# Altium PCB Rus.PcbDoc (part 1 of 2) (continued)
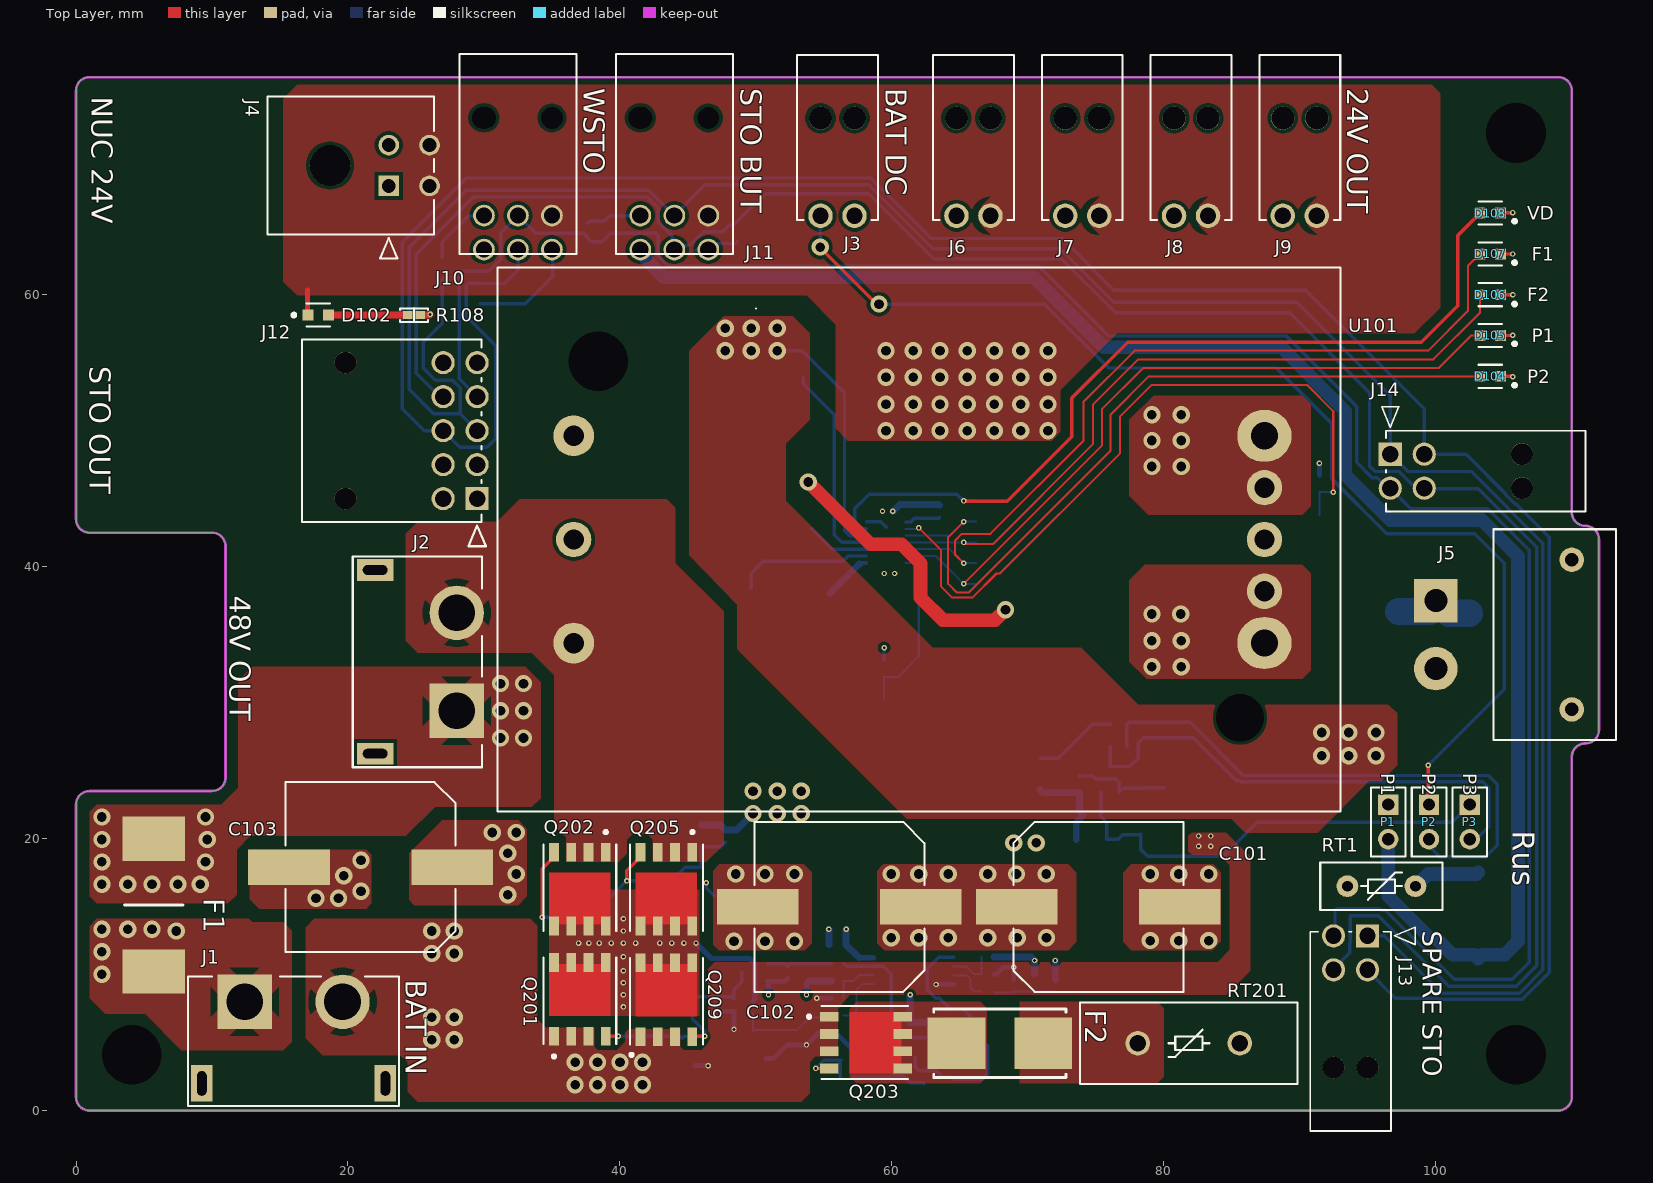
[diagram p0: Top Layer view]
## Part data (continued)
J4: library part "Micro-Fit RA TH 4 Way Header Dual Row", "Header, 2 Row, Right-Angle, Snap-In Lock, 4 Pin, Gold Plate, SMT/Glow Wire Compatible", Manufacturer=Molex, Supplier Part Number 1=6700321, Category="Headers and Wire Housings", Colloquial="Micro-Fit RA TH 4 Way", ComponentLink1Description=https://datasheet.ciiva.com/5153/0430450401-pcb-headers-142810-5153780.pdf?src-supplier=Mouser, ComponentLink1URL=https://datasheet.ciiva.com/5153/0430450401-pcb-headers-142810-5153780.pdf?src-supplier=Mouser, ComponentLink2Description=https://datasheet.ciiva.com/31838/151680430450401-pcb-headers-31838471.pdf?src-supplier=Onlinecomponents.com, ComponentLink2URL=https://datasheet.ciiva.com/31838/151680430450401-pcb-headers-31838471.pdf?src-supplier=Onlinecomponents.com, ComponentLink3Description=https://datasheet.ciiva.com/11749/0900766b80d483ee-11749369.pdf?src-supplier=RSComponents, ComponentLink3URL=https://datasheet.ciiva.com/11749/0900766b80d483ee-11749369.pdf?src-supplier=RSComponents, ComponentLink4Description=https://datasheet.ciiva.com/10090/0430450401-pcb-headers-10090512.pdf?src-supplier=Avnet, ComponentLink4URL=https://datasheet.ciiva.com/10090/0430450401-pcb-headers-10090512.pdf?src-supplier=Avnet, ComponentLink5Description=https://datasheet.ciiva.com/1443/1780486-1443445.pdf?src-supplier=Element14, ComponentLink5URL=https://datasheet.ciiva.com/1443/1780486-1443445.pdf?src-supplier=Element14, Copyright="Copyright (C) 2022 Ultra Librarian. All rights reserved.", Manufacturer Part Number=430450401, Pricing 1="5=1.54600, 100=1.21000, 375=1.08600, 1500=0.86200, 3000=0.80000 (GBP)", RefDes=RefDes, RoHS=Yes, Stock 1=2315, Supplier 1=RSComponents, Type=DEV
J5: "Amass XT30 RA TH male header", Manufacturer=Amass, Manufacturer Part Number=XT30PW-M
J10 J11: library part "Nano-Fit RA TH 6 Way Header Dual Row", "Nano-Fit Right Angle Header; Through Hole; 2.50mm; Dual Row; 6 Circuit; Gold Plated", Color=Black, Manufacturer=Molex, Supplier Part Number 1=2576871, Category="Headers and Wire Housings", Colloquial="Nano-Fit RA TH", Contact Material=Brass, Contact Plating=Gold, Gender=Male, Manufacturer Part Number=105314-1206, Mount="Through Hole", Number of Rows=2, Pricing 1="10=1.38000 (GBP)", REACH SVHC=Unknown, RoHS=Yes, RoHS Compliant=Yes, Stock 1=621, Supplier 1=Farnell, Termination="Through Hole"
J12: library part "Nano-Fit RA TH 10 Way Header", "Nano-Fit Right Angle Header; Through Hole; 2.50mm; Dual Row; 10 Circuit; Gold Plating", Manufacturer=Molex, Colloquial="Nano-Fit RA TH 10 Way", Copyright="Copyright (C) 2022 Ultra Librarian. All rights reserved.", Manufacturer Part Number=1053141310, RefDes=RefDes, Type=DEV
J13 J14: library part "Nano-Fit RA TH 4 Way Header Dual Row", "Nano-Fit Right Angle Header; Through Hole; 2.50mm; Dual Row; 4 Circuit; Gold Plated", Colloquial="Nano-Fit RA TH", Manufacturer Part Number=105314-1204
MP1 MP3 MP4: library part 9774040360R, "WA-SMSI SMT Steel Spacer with internal Thread, OD 6mm, M3 x 4mm", Manufacturer="Wurth Elektronik", Operating Temperature Max=150°C, Operating Temperature Min=-55°C, Category="SMT Spacers", ComponentLink1Description="Website Link", ComponentLink1URL=https://www.we-online.com/redexpert/article/9774040360R?ad, ComponentLink2Description="Datasheet Link", ComponentLink2URL=https://www.we-online.com/redexpert/spec/9774040360R?ad, Height=4mm, Inside Diameter=4.2mm, Manufacturer Part Number=9774040360R, Match Code=WA-SMSI, Material=Steel, Mount="Surface Mount", Outside Diameter=6mm, Packaging="Tape and Reel", Surface=Tin, Thread Size=M3
P1 P2 P3: "Header, 2-Pin", LatestRevisionDate=17-Jul-2002, LatestRevisionNote="Re-released for DXP Platform.", Publisher="Altium Limited"
Q101 Q102: Manufacturer Part Number=SI4090BDY-T1-GE3, Supplier Part Number 1=742-SI4090BDY-T1-GE3CT-ND, ComponentLink1Description="New link", Supplier 1=Digi-Key
Q201 Q202 Q203 Q205 Q209: "100-V, N channel NexFET™ power MOSFET, single SON 5 mm x 6 mm, 4.9 mOhm 8-VSON-CLIP -55 to 150", Continuous Drain Current (ID)=100A, Drain to Source Breakdown Voltage=100V, Drain to Source Resistance=4.9mR, Gate to Source Voltage (Vgs)=20V, Input Capacitance=4.81nF, Manufacturer="Texas Instruments", Max Operating Temperature=150°C, Max Power Dissipation=3.1W, Min Operating Temperature=-55°C, Package Quantity=1, Supplier Part Number 1=595-CSD19532Q5B, Threshold Voltage=2.6V, Category=MOSFETs, ComponentLink1Description=http://www.farnell.com/datasheets/1499179.pdf?src-supplier=Farnell, ComponentLink1URL=http://www.farnell.com/datasheets/1499179.pdf?src-supplier=Farnell, ComponentLink2Description=https://assets.nexperia.com/documents/data-sheet/BSS138PS.pdf?src-supplier=Digi-Key, ComponentLink2URL=https://assets.nexperia.com/documents/data-sheet/BSS138PS.pdf?src-supplier=Digi-Key, ComponentLink3Description=https://assets.nexperia.com/documents/data-sheet/2N7002.pdf?src-supplier=Digi-Key, ComponentLink3URL=https://assets.nexperia.com/documents/data-sheet/2N7002.pdf?src-supplier=Digi-Key, ComponentLink4Description=http://www.farnell.com/datasheets/1499179.pdf?src-supplier=Newark, ComponentLink4URL=http://www.farnell.com/datasheets/1499179.pdf?src-supplier=Newark, ComponentLink5Description=https://datasheet.ciiva.com/29752/csd19532q5b-29752088.pdf?src-supplier=Digi-Key, ComponentLink5URL=https://datasheet.ciiva.com/29752/csd19532q5b-29752088.pdf?src-supplier=Digi-Key, ComponentLink6Description=https://datasheet.ciiva.com/46430/1857696-46430346.pdf?src-supplier=Element14, ComponentLink6URL=https://datasheet.ciiva.com/46430/1857696-46430346.pdf?src-supplier=Element14, ComponentLink7Description=https://datasheet.ciiva.com/46430/1857696-46430347.pdf?src-supplier=Element14, ComponentLink7URL=https://datasheet.ciiva.com/46430/1857696-46430347.pdf?src-supplier=Element14, ComponentLink8Description=https://datasheet.ciiva.com/29752/csd19532q5b-29752093.pdf?src-supplier=Digi-Key, ComponentLink8URL=https://datasheet.ciiva.com/29752/csd19532q5b-29752093.pdf?src-supplier=Digi-Key, ComponentLink9Description=https://datasheet.ciiva.com/29752/csd19532q5b-29752106.pdf?src-supplier=Digi-Key, ComponentLink9URL=https://datasheet.ciiva.com/29752/csd19532q5b-29752106.pdf?src-supplier=Digi-Key, ComponentLink10Description=https://datasheet.ciiva.com/30021/csd19532q5b-30021946.pdf?src-supplier=Avnet, ComponentLink10URL=https://datasheet.ciiva.com/30021/csd19532q5b-30021946.pdf?src-supplier=Avnet, Contact Plating=Tin, Drain to Source Voltage (Vdss)=100V, Element Configuration=Single, Fall Time=6ns, Lead Free="Contains Lead", Manufacturer Part Number=CSD19532Q5B, Mount="Surface Mount", Number of Channels=1, Number of Elements=1, Number of Pins=8, Packaging="Tape and Reel", Power Dissipation=3.1W, Pricing 1="1=2.97000, 10=2.67000, 25=2.52000, 50=2.52000, 100=2.17000, 250=2.10000, 500=1.73000, 1000=1.62000, 2500=1.56000, 10000=1.56000 (USD)", Rds On Max=4.9mR, REACH SVHC="No SVHC", Rise Time=6ns, RoHS=Yes, RoHS Compliant=Yes, Supplier 1=Mouser, Turn-Off Delay Time=22ns, Turn-On Delay Time=7ns
Q204: "TRANS NPN 100V 3A SOT223", Case/Package=SOT-223, Collector Base Voltage (VCBO)=180V, Collector Emitter Breakdown Voltage=100V, Collector Emitter Saturation Voltage=500mV, Emitter Base Voltage (VEBO)=7V, Frequency=175MHz, Manufacturer="Diodes Inc", Max Collector Current=3A, Max Operating Temperature=150°C, Max Power Dissipation=5.3W, Min Operating Temperature=-55°C, Package Quantity=1000, Supplier Part Number 1=ZXTN25100DGTA, Category=BJTs, Collector Emitter Voltage (VCEO)=100V, Collector-emitter Voltage-Max=500mV, ComponentLink1Description=https://datasheet.ciiva.com/6360/zxtn25100dg-6360033.pdf?src-supplier=Digi-Key, ComponentLink1URL=https://datasheet.ciiva.com/6360/zxtn25100dg-6360033.pdf?src-supplier=Digi-Key, Element Configuration=Single, Gain Bandwidth Product=175MHz, Height=1.65mm, Lead Free="Lead Free", Length=6.7mm, Manufacturer Part Number=ZXTN25100DG, Max Breakdown Voltage=100V, Max Frequency=175MHz, Mount="Surface Mount", Number of Elements=1, Number of Pins=4, Packaging="Tape and Reel", Polarity=NPN, Power Dissipation=5.3W, Pricing 1="1000=0.25480, 2000=0.22890, 5000=0.21400, 10000=0.21190 (USD)", Radiation Hardening=No, REACH SVHC="No SVHC", RoHS=Yes, RoHS Compliant=Yes, Series=-, Stock 1=49000, Supplier 1="Arrow Electronics", Transition Frequency=175MHz, Weight=0.000282oz, Width=3.7mm
Q206 Q207 Q208 Q210: library part BSS84W, "P-Channel 50 V 10 Ohm Enhancement Mode Transistor SOT-323", Case/Package=SOT-323, Continuous Drain Current (ID)=130mA, Current Rating=-130mA, Drain to Source Resistance=6R, Drain to Source Voltage (Vdss)=-50V, Drain-source On Resistance-Max=10R, Gate to Source Voltage (Vgs)=20V, Input Capacitance=45pF, Manufacturer="Diodes Inc", Max Operating Temperature=150°C, Max Power Dissipation=200mW, Min Operating Temperature=-55°C, Package Quantity=3000, Threshold Voltage=-1.6V, Category=MOSFETs, Colloquial=BSS84, ComponentLink1Description=https://datasheet.ciiva.com/19479/1539489-19479838.pdf?src-supplier=Jameco, ComponentLink1URL=https://datasheet.ciiva.com/19479/1539489-19479838.pdf?src-supplier=Jameco, ComponentLink2Description=https://datasheet.ciiva.com/4442/ds30205-79185-4442986.pdf?src-supplier=Mouser, ComponentLink2URL=https://datasheet.ciiva.com/4442/ds30205-79185-4442986.pdf?src-supplier=Mouser, ComponentLink3Description=https://datasheet.ciiva.com/15137/getdatasheetpartid-91759-15137729.pdf?src-supplier=Verical, ComponentLink3URL=https://datasheet.ciiva.com/15137/getdatasheetpartid-91759-15137729.pdf?src-supplier=Verical, ComponentLink4Description=https://datasheet.ciiva.com/8115/ds30205-8115434.pdf?src-supplier=Avnet, ComponentLink4URL=https://datasheet.ciiva.com/8115/ds30205-8115434.pdf?src-supplier=Avnet, ComponentLink5Description=https://datasheet.ciiva.com/17082/bss84w-7-f-17082780.pdf?src-supplier=Allied+Electronics, ComponentLink5URL=https://datasheet.ciiva.com/17082/bss84w-7-f-17082780.pdf?src-supplier=Allied+Electronics, ComponentLink6Description=https://datasheet.ciiva.com/1190/ds30205-1190308.pdf?src-supplier=Element14, ComponentLink6URL=https://datasheet.ciiva.com/1190/ds30205-1190308.pdf?src-supplier=Element14, ComponentLink7Description=https://datasheet.ciiva.com/8115/ds30205-8115325.pdf?src-supplier=Avnet, ComponentLink7URL=https://datasheet.ciiva.com/8115/ds30205-8115325.pdf?src-supplier=Avnet, ComponentLink8Description=https://datasheet.ciiva.com/934/ds30205-934606.pdf?src-supplier=Digi-Key, ComponentLink8URL=https://datasheet.ciiva.com/934/ds30205-934606.pdf?src-supplier=Digi-Key, ComponentLink9Description=https://datasheet.ciiva.com/934/ds30205-934607.pdf?src-supplier=Digi-Key, ComponentLink9URL=https://datasheet.ciiva.com/934/ds30205-934607.pdf?src-supplier=Digi-Key, ComponentLink10Description=https://datasheet.ciiva.com/934/ds30205-934605.pdf?src-supplier=Digi-Key, ComponentLink10URL=https://datasheet.ciiva.com/934/ds30205-934605.pdf?src-supplier=Digi-Key, Contact Plating=Tin,Matte, Element Configuration=Single, Height=1mm, Lead Free="Lead Free", Length=2.2mm, Manufacturer Part Number=BSS84W-7-F, Mount="Surface Mount", Nominal Vgs=-1.6V, Number of Channels=1, Number of Elements=1, Number of Pins=3, On-State Resistance=10R, Packaging="Tape and Reel", Polarity=P-CHANNEL, Power Dissipation=200mW, Pricing 1="3000=0.07350, 6000=0.06460 (USD)", Radiation Hardening=No, Rds On Max=10R, REACH SVHC="No SVHC", RoHS=Yes, RoHS Compliant=Yes, Series=-, Stock 1=6000, Supplier 1="Arrow Electronics", Supplier Part Number 1=BSS84W-7-F, Turn-Off Delay Time=18ns, Turn-On Delay Time=10ns, Voltage Rating (DC)=-50V, Weight=0.000212oz, Width=1.35mm
R1 R2 R3 R4: library part CMP-2100-03667-1, "Chip Resistor, 0 Ohm, +/- 5%, 0.1 W, -55 to 155 degC, 0603 (1608 Metric), RoHS, Tape and Reel", Case Code (Imperial)=0603, Case Code (Metric)=1608, Manufacturer=Yageo, Max Operating Temperature=155degC, Min Operating Temperature=-55degC, Package Description="2-Pin Surface Mount Device, Body 1.6 x 0.8 mm", Package Quantity=5000, Power Rating=100mW, Resistance=0R, Temperature Coefficient=200ppm/degreesC, Tolerance=5%, Voltage Rating=50V, Case/Package=0603, Composition=ThickFilm, Contact Plating=Tin, Datasheet URL=http://www.yageo.com/NewPortal/yageodocoutput?fileName=/pdf/R-Chip/PYu-RC_Group_51_RoHS_L_5.pdf, Datasheet Version="Rev. 5, 10/2016", Depth=0.8mm, Height=0.45mm, Lead Free=LeadFree, Length=1.6mm, Manufacturer URL=http://www.yageo.com/, Military Standard=Not, Number of Pins=2, Package Reference=0603, Packaging=TapeandReel, Radiation Hardening=No, REACH SVHC=NoSVHC, RoHSCompliant=true, Termination=SMD/SMT, Voltage Rating (DC)=50V, Width=0.8mm
R5: library part R, "Generic Resistor", Power Rating=1000mW, Temperature Coefficient=100ppm/°C, Tolerance=1%, Voltage Rating=200V, Resistance=4R7, Size Code=2512
R102 R104 R105 R106 R107 R213 R218 R225 R228: library part R, "Generic Resistor", Power Rating=100mW, Temperature Coefficient=100ppm/°C, Tolerance=1%, Voltage Rating=75V, Size Code=0603
  R102 R104 R105 R106 R107: Resistance=33k
  R213: Resistance=22k
  R218 R228: Resistance=47k
  R225: Resistance=1k
R108 R113 R201 R202 R205 R206 R207 R208 R209 R210 R211 R212 R214 R216 R217 R219 R220 R221 R222 R223 R224 R226 R227: library part R, "Generic Resistor", Power Rating=62.5mW, Temperature Coefficient=100ppm/°C, Tolerance=1%, Voltage Rating=50V, Size Code=0402
  R108 R201 R212 R214 R223 R224 R227: Resistance=10k
  R113 R206 R207 R208 R216 R217 R226: Resistance=100k
  R202 R209 R210 R220: Resistance=100R
  R205: Resistance=10M
  R211: Resistance=220k
  R219: Resistance=1k
  R221 R222: Resistance=10R
R109 R110: library part CMP-2001-00804-1, Manufacturer=Panasonic, Resistance=340k, Part Number=ERA6AEB3403V
R111 R112: library part CMP-2000-00228-1, Manufacturer=Panasonic, Resistance=12.7k, Part Number=ERJ-3EKF1272V
R204: library part R, "RES 10K OHM 1% 1/5W 0603", Manufacturer=YAGEO, Manufacturer Part Number=RC0603FR-7W10KL, Power Rating=0.2W, Temperature Coefficient=200ppm/°C, Tolerance=1%, Voltage Rating=75V, Resistance=10k, Size Code=0603
RT1: "Thermistor PTC 1.8 Ohm 25% 2-Pin Radial Cardboard Strip", Case/Package=Radial, Manufacturer=Epcos, Max Operating Temperature=125°C, Max Supply Voltage=30V, Min Operating Temperature=-40°C, Supplier Part Number 1=9753087, Tolerance=25%, Category="PTC Resettable Fuses", ComponentLink1Description=https://datasheet.ciiva.com/15097/getdatasheetpartid-382302-15097925.pdf?src-supplier=Verical, ComponentLink1URL=https://datasheet.ciiva.com/15097/getdatasheetpartid-382302-15097925.pdf?src-supplier=Verical, ComponentLink2Description=https://datasheet.ciiva.com/48779/1899685-48779500.pdf?src-supplier=Element14, ComponentLink2URL=https://datasheet.ciiva.com/48779/1899685-48779500.pdf?src-supplier=Element14, Contact Plating=Tin, Depth=3.5mm, Height=12.5mm, Lead Free="Lead Free", Lead Length=25mm, Manufacturer Part Number=B59975C0120A070, Mount="Through Hole", Number of Pins=2, Operating Supply Voltage=30V, Packaging=Strip, Pricing 1="1=1.56000, 10=1.23000, 50=0.92700, 100=0.83300, 200=0.72800, 500=0.62200, 2500=0.61000 (GBP)", Radiation Hardening=No, REACH SVHC="No SVHC", RoHS=Yes, RoHS Compliant=Yes, Stock 1=1677, Supplier 1=Farnell, Thickness=3.5mm, Width=9mm
RT201: "NTC Thermistor, 25ohm, Through Hole Mount", Manufacturer=Epcos, Max Operating Temperature=170°C, Min Operating Temperature=-55°C, Package Shape=Disk, Power=3.9W, Rated AC Voltage (URac)=265V, Rated Temperature=25°C, Resistor Type="NTC THERMISTOR", Supplier Part Number 1=1857638, Tolerance=20%, Category=Thermistors, ComponentLink1Description=https://datasheet.ciiva.com:443/pdfs/VipMasterIC/IC/TDKC/TDKC-S-A0001106310/TDKC-S-A0001106310-1.pdf?src-supplier=IHS+Markit, ComponentLink1URL=https://datasheet.ciiva.com:443/pdfs/VipMasterIC/IC/TDKC/TDKC-S-A0001106310/TDKC-S-A0001106310-1.pdf?src-supplier=IHS+Markit, ComponentLink2Description=http://www.epcos.com/inf/50/db/icl_13/B57238_S238.pdf?src-supplier=Avnet, ComponentLink2URL=http://www.epcos.com/inf/50/db/icl_13/B57238_S238.pdf?src-supplier=Avnet, JESD-609 Code=e3, Manufacturer Part Number=B57238S0250M000, Mounting Technology="Through Hole", Packaging=Bulk, Pins=2, Pricing 1="500=0.75700 (GBP)", Reach SVHC Compliant=No, RoHS=Yes, RoHS Compliant=Yes, Stock 1=2155, Supplier 1=Rs, Terminal Finish=Tin, Terminal Placement=Radial, Termination=Wire, Thermistor Application="SOFT START"
RV101: "J Series 31.1 V 3000 W Surface Mount Uni-Directional TVS Diode - DO-214AB", Breakdown Voltage=31.1V, Case/Package=DO-214AB, Clamping Voltage=45.4V, Leakage Current=2uA, Manufacturer=Littelfuse, Max Breakdown Voltage=34.4V, Max Operating Temperature=150°C, Max Surge Current=66.1A, Min Operating Temperature=-55°C, Operating Supply Voltage=28V, Package Quantity=3000, Peak Pulse Power=3kW, Power Line Protection=No, Resistor Type=Zener, Supplier Part Number 1=1714200P, Test Current=1mA, Category="TVS Diodes", Clamping Voltage-Max=45.4V, ComponentLink1Description=https://datasheet.ciiva.com/332/littelfuse-tvs-diode-smdj-datasheet-pdf-332693.pdf?src-supplier=Digi-Key, ComponentLink1URL=https://datasheet.ciiva.com/332/littelfuse-tvs-diode-smdj-datasheet-pdf-332693.pdf?src-supplier=Digi-Key, ComponentLink2Description=https://datasheet.ciiva.com/332/littelfuse-tvs-diode-smdj-datasheet-pdf-332694.pdf?src-supplier=Digi-Key, ComponentLink2URL=https://datasheet.ciiva.com/332/littelfuse-tvs-diode-smdj-datasheet-pdf-332694.pdf?src-supplier=Digi-Key, ComponentLink3Description=https://datasheet.ciiva.com/332/littelfuse-tvs-diode-smdj-datasheet-pdf-332695.pdf?src-supplier=Digi-Key, ComponentLink3URL=https://datasheet.ciiva.com/332/littelfuse-tvs-diode-smdj-datasheet-pdf-332695.pdf?src-supplier=Digi-Key, ComponentLink4Description=https://datasheet.ciiva.com/4508/littelfuse-tvs-diode-smdj-datasheet-pdf-4508137.pdf?src-supplier=Mouser, ComponentLink4URL=https://datasheet.ciiva.com/4508/littelfuse-tvs-diode-smdj-datasheet-pdf-4508137.pdf?src-supplier=Mouser, Diode Type=ZENER, Direction=Unidirectional, Lead Free="Lead Free", Manufacturer Part Number=SMDJ28A, Min Breakdown Voltage=31.1V, Mount="Surface Mount", Number of Channels=1, Number of Elements=1, Number of Pins=2, Number of Unidirectional Channels=1, Packaging="Tape and Reel", Peak Pulse Current=66.1A, Polarity=Unidirectional, Power Dissipation=3kW, Pricing 1="50=0.71100, 100=0.63100, 500=0.59100, 1000=0.53600 (GBP)", REACH SVHC="No SVHC", Reverse Breakdown Voltage=31.1V, Reverse Standoff Voltage=28V, RoHS=Yes, RoHS Compliant=Yes, Series=SMDJ, Stock 1=1220, Supplier 1=RSComponents, Termination=SMD/SMT
U101: "24 Vdc, 8.4 A, 201.6 W, 18~75 Vdc Input Range", Manufacturer="CUI Inc", Supplier Part Number 1=3873074, Category="Board Mount Modules", ComponentLink1Description=Datasheet, ComponentLink1URL=https://www.cui.com/product/resource/prq200w.pdf, Manufacturer Part Number=PRQ200W-Q48-S24-D, Pricing 1="1=115.34000 (GBP)", RoHS=No, Stock 1=10, Supplier 1=Farnell
U102: "Positive High Voltage Ideal Diode-OR with Input Supply and Fuse Monitors IC OR CTRLR SRC SELECT 14DFN", Case/Package="DFN EP", Manufacturer="Analog Devices", Max Operating Temperature=85°C, Min Operating Temperature=-40°C, Package Quantity=91, Supplier Part Number 1=584-LTC4355IDE#PBF, Category="Power Management ICs", Colloquial=LTC4355, ComponentLink1Description=https://datasheet.ciiva.com/15104/getdatasheetpartid-365860-15104228.pdf?src-supplier=Verical, ComponentLink1URL=https://datasheet.ciiva.com/15104/getdatasheetpartid-365860-15104228.pdf?src-supplier=Verical, ComponentLink2Description=https://datasheet.ciiva.com/1960/24936-1960774.pdf?src-supplier=Digi-Key, ComponentLink2URL=https://datasheet.ciiva.com/1960/24936-1960774.pdf?src-supplier=Digi-Key, Lead Free="Lead Free", Length=4mm, Manufacturer Part Number=LTC4355IDE#PBF, Number of Outputs=2, Number of Pins=14, Pricing 1="1=9.21000, 10=8.31000, 50=7.92000, 100=6.88000, 1000=5.99000, 10000=5.47000 (USD)", Radiation Hardening=No, RoHS=Yes, RoHS Compliant=Yes, Series=-, Stock 1=5334, Supplier 1=Mouser
U201: library part LM393, "Comparator Dual 18V/36V 8-Pin TSSOP T/R", Case/Package=TSSOP, Input Bias Current=250nA, Input Offset Voltage (Vos)=5mV, Manufacturer=ST, Max Dual Supply Voltage=18V, Max Operating Temperature=70°C, Max Power Dissipation=625mW, Max Supply Current=1mA, Max Supply Voltage=36V, Min Dual Supply Voltage=1V, Min Operating Temperature=0°C, Min Supply Voltage=2V, Natural Thermal Resistance=120°C/W, Output Current=18mA, Output Current per Channel=100pA, Package Quantity=1, Quiescent Current=2.5mA, Supplier Part Number 1=69AH0634, Voltage Gain=106.02dB, Category=Comparators, Colloquial=LM393, ComponentLink1Description=https://datasheet.ciiva.com/15131/getdatasheetpartid-186418-15131021.pdf?src-supplier=Verical, ComponentLink1URL=https://datasheet.ciiva.com/15131/getdatasheetpartid-186418-15131021.pdf?src-supplier=Verical, ComponentLink2Description=https://datasheet.ciiva.com/1827/cd00000465-1827201.pdf?src-supplier=Digi-Key, ComponentLink2URL=https://datasheet.ciiva.com/1827/cd00000465-1827201.pdf?src-supplier=Digi-Key, ComponentLink3Description=https://datasheet.ciiva.com/1827/cd00000465-1827202.pdf?src-supplier=Digi-Key, ComponentLink3URL=https://datasheet.ciiva.com/1827/cd00000465-1827202.pdf?src-supplier=Digi-Key, ComponentLink4Description=https://datasheet.ciiva.com/1827/cd00000465-1827203.pdf?src-supplier=Digi-Key, ComponentLink4URL=https://datasheet.ciiva.com/1827/cd00000465-1827203.pdf?src-supplier=Digi-Key, ComponentLink5Description=https://datasheet.ciiva.com/2971/cd00000465-2971959.pdf?src-supplier=Avnet, ComponentLink5URL=https://datasheet.ciiva.com/2971/cd00000465-2971959.pdf?src-supplier=Avnet, ComponentLink6Description=https://datasheet.ciiva.com/16381/cd00000465-16381559.pdf?src-supplier=Future+Electronics, ComponentLink6URL=https://datasheet.ciiva.com/16381/cd00000465-16381559.pdf?src-supplier=Future+Electronics, Lead Free="Lead Free", Manufacturer Part Number=LM393PT, Max Input Current=250nA, Mount="Surface Mount", Nominal Supply Current=1mA, Number of Channels=2, Number of Elements=2, Number of Pins=8, OUTPUT TYPE=TTL, Packaging="Tape and Reel", Power Dissipation=625mW, Pricing 1="1=0.55700, 5=0.55700, 10=0.47600, 25=0.44300, 50=0.37500, 100=0.30600, 250=0.25300, 500=0.20100, 1000=0.16500 (USD)", Radiation Hardening=No, Response Time=1.3us, RoHS=Yes, RoHS Compliant=Yes, Series=LM393, Stock 1=4000, Supplier 1=Newark, Supply Current=1mA, Technology=BIPOLAR, Type="General Purpose"

## Via types
v1: diameter 1.27, hole 0.711, Top Layer to Bottom Layer, 137 vias
v2: diameter 0.4, hole 0.2, Top Layer to Bottom Layer, 60 vias

## Nets (pads, with @x,y where several pads share a name; then routed paths per layer and width w, separated by ;. In a path a pad name is that pad's centre, name@x,y a point inside that pad or via, vN(x,y) a via of type N, cw(c..) or ccw(c..) an arc to the next point about the centre after c; other vN are vias at no path point)
11V3: C202.2 C204.2 C206.2 C207.2 C210.2 Q204.3 Q206.3 Q207.3 Q208.3 R205.2 R206.2 R208.2 R216.1 R217.1 R226.1 U201.8 | length 26.5
  Bottom Layer w0.35: v2(50.927,8.509) 50.927,9.444 Q207.3@50.861,9.51 52.124,9.51 R217.1@52.324,9.71 ; v2(53.721,8.509) 53.721,9.408 C207.2@53.848,9.535
  Bottom Layer w0.381: 57.582,11.242 U201.8@58.645,11.242
  Bottom Layer w0.5: R206.2@67.506,11.303 70.231,11.303 v2@70.485,11.049 ; C202.2@70.485,10.023 v2@70.485,11.029 ; R205.2@72.009,9.594 v2@72.009,11.049
  Bottom Layer w0.508: C207.2@53.848,9.535 53.858,9.525 R208.2@55.557,9.525 ; v2(56.642,13.335) 56.632,13.325 C204.2@56.632,12.192 57.582,11.242 ; v2(61.341,8.509) R226.1@61.341,6.419 61.399,6.477 62.748,6.477 C210.2@62.865,6.594 63.764,6.594 64.12,6.238 Q208.3@64.328,6.238 64.628,6.238 65.278,5.588 65.278,4.826 65.913,4.191 C206.2@65.913,3.546 64.564,3.546 R216.1@64.389,3.371 63.889,3.871 Q206.3@63.007,3.871
  other v1: 68.961,19.685 70.612,19.685
  other v2: 70.495,11.039 72.019,11.039
24V: C101.1 C102.1 J4.1 J4.2 J6.1 J7.1 J8.1 J9.1 P1.1 R108.2 RT1.1 RV101.2 U101.7 U101.8 | length 0.7
  Top Layer w0.5: R108.2@25.305,58.5 25.988,58.5 v2(26.035,58.547)
  other v1: 59.944,12.7 61.976,12.7 64.135,12.7 67.056,12.7 69.215,12.7 71.374,12.7 59.944,17.399 61.976,17.399 64.135,17.399 67.059,17.4 69.159,17.4 71.359,17.4 79.121,47.371 81.28,47.371 79.121,49.276 81.28,49.276 79.121,51.181 81.28,51.181
48V: C201.2 D207.1 F1.2 F101A.1 J2.1 Q204.2 Q204.4 R109.2 R201.2 R204.1 R228.2 | length 11.2
  Bottom Layer w0.5: C201.2@45.974,20.993 47.402,20.993 R201.2@47.752,20.643 48.583,20.643 v1(49.784,21.844) ; Q204.2@70.891,23.622 71.145,23.368 R204.1@73.752,23.368 ; D207.1@73.564,19.939 73.564,21.205 R228.2@74.076,21.717 73.8,21.993 R204.1@73.8,23.4
  other v1: 1.905,16.637 3.81,16.637 5.588,16.637 7.493,16.637 9.144,16.637 1.905,18.288 9.525,18.288 1.905,19.939 9.652,19.939 1.905,21.59 9.525,21.59 51.562,21.844 53.34,21.844 49.784,23.495 51.562,23.495 53.34,23.495 31.212,27.4 32.912,27.4 31.212,29.4 32.912,29.4 31.212,31.4 32.912,31.4
48V_IN_2: F102A.1 J5.1 R110.2 | length 6
  Bottom Layer w0.254: J5.1@100,37.5 J5.1@100.183,37.318
  Bottom Layer w2: 97.268,36.703 99.568,36.703 100.203,37.338 100.965,36.576 102.475,36.576
48V_OUT: C103.1 D101.1 Q101.5 Q101.6 Q101.7 Q101.8 Q102.5 Q102.6 Q102.7 Q102.8 R102.2 R104.2 R105.2 R106.2 R107.2 U101.1 U102.3 | length 25.2
  Top Layer w1: v1(53.848,46.228) 58.42,41.656 60.706,41.656 62.103,40.259 62.103,37.719 63.754,36.068 67.589,36.068 v1(68.351,36.83)
  Bottom Layer w0.25: 54.08,42.821 55.618,41.283 U102.3@58.111,41.283
  other v1: 31.75,15.875 32.385,17.399 31.75,18.923 30.607,20.447 32.385,20.447
4355MON1: R109.1 R111.2 U102.14 | length 12.4
  Bottom Layer w0.15: R109.1@59.436,30.314 R111.2@59.436,31.887 60.462,31.887 61.976,33.401 61.976,40.024 61.717,40.283 U102.14@61.015,40.283
4355MON2: R110.1 R112.2 U102.9 | length 52.7
  Top Layer w0.15: v2(61.976,42.85) 63.627,41.199 63.627,38.532 64.44,37.719 65.913,37.719 67.691,39.497 67.945,39.497 76.784,48.336 76.784,51.054 79.096,53.365 90.526,53.365 92.456,51.435 v2(92.456,45.466)
  Bottom Layer w0.15: U102.9@61.015,42.783 61.935,42.783 61.976,42.824 v2(61.976,42.85) ; R110.1@91.44,43.768 R110.1@91.44,43.903 R112.2@91.44,45.476 92.446,45.476 v2(92.456,45.466)
4355SET: R113.2 U102.8 | length 2.6
  Bottom Layer w0.25: U102.8@61.015,43.283 61.383,43.283 61.661,43.561 63.442,43.561 R113.2@63.5,43.619
\B\A\T\_\D\C\: J3.1 P2.1 | length 86
  Top Layer w0.25: v1(54.737,63.5) 54.737,63.453 58.881,59.309 v1(59.055,59.309) ; v2(99.441,25.4) 99.441,22.059 P2.1@99.5,22
  Bottom Layer w0.25: v1(54.737,63.5) 54.737,65.913 J3.1@55.189,66.365 ; v1(59.055,59.309) 71.247,59.309 75.946,54.61 88.265,54.61 92.329,50.546 92.329,46.482 96.393,42.418 102.87,42.418 105.029,40.259 105.029,30.988 v2(99.441,25.4)
BAT+_RAW: F1.1 J1.1 | length 0.3
  Top Layer w0.25: v1@7.239,13.462 7.239,13.335 v1(7.366,13.208)
  other v1: 1.905,10.033 1.905,11.684 1.905,13.335 3.81,13.335 5.588,13.335
BAT-: C203.1 C204.1 C208.1 C209.1 D202.1 D203.1 D204.1 D205.1 D206.1 J1.2 J3.2 Q201.1 Q201.2 Q201.3 Q203.1 Q203.2 Q203.3 Q209.1 Q209.2 Q209.3 R211.1 R212.1 R213.1 R214.1 R223.2 R224.2 U201.4 | length 21.8
  Bottom Layer w0.35: D205.1@45.527,3.318 46.466,3.318 v2(46.482,3.302) ; C209.1@46.736,6.995 C209.1@46.863,7.122 47.038,7.297 R224.2@48.387,7.297 v2(48.387,5.969) ; D203.1@50.734,3.826 51.289,3.826 R213.1@52.197,4.734 52.289,4.826 v2(53.721,4.826) 54.594,5.699 D204.1@55.311,5.699 55.896,5.699 57.404,4.191 57.404,3.683 57.716,3.371 R223.2@58.547,3.371 58.976,3.8 C208.1@60.071,3.8 ; v2(54.483,8.255) R214.1@55.557,8.255 ; v2(63.246,9.271) 63.267,9.292 U201.4@64.579,9.292 ; R212.1@67.506,10.033 67.691,10.033 68.199,10.541 v2(68.961,10.541) R211.1@68.961,9.594
  Bottom Layer w0.5: v2(55.372,13.335) 55.382,13.325 C204.1@55.382,12.192
  other v1: 36.703,1.905 38.354,1.905 40.005,1.905 41.656,1.905 36.703,3.556 38.354,3.556 40.005,3.556 41.656,3.556 26.162,5.207 27.813,5.207 26.162,6.858 27.813,6.858 26.162,11.557 27.813,11.557 26.162,13.208 27.813,13.208
  other v2: 82.55,19.431 83.439,19.431 82.55,20.193 83.439,20.193
COMP1_OUT: R219.2 U201.1 | length 6.1
  Bottom Layer w0.25: R219.2@64.32,7.493 64.262,7.493 63.5,8.255 63.235,8.255 62.611,8.879 62.611,10.414 63.459,11.262 U201.1@64.545,11.262
COMP2_OUT: R220.2 R227.2 U201.7 | length 7.4
  Bottom Layer w0.25: R220.2@56.457,10.795 56.64,10.612 U201.7@58.645,10.612 59.365,10.612 59.944,10.033 R227.2@59.944,6.419
FETGATE1: Q101.4 U102.2 | length 10.1
  Bottom Layer w0.254: Q101.4@49.657,38.423 49.657,39.497 50.546,40.386 56.388,40.386 56.785,40.783 U102.2@58.111,40.783
FETGATE2: Q102.4 U102.4 | length 15.1
  Bottom Layer w0.25: Q102.4@53.467,53.906 53.467,53.467 55.753,51.181 55.753,44.577 55.753,42.347 56.317,41.783 U102.4@58.111,41.783
FETSOURCE1: F101A.2 Q101.1 Q101.2 Q101.3 U102.1 | length 3.6
  Bottom Layer w0.3: 57.654,40.2 57.737,40.283 U102.1@58.111,40.283
  Bottom Layer w0.5: 55.433,38.034 55.499,38.1 57.599,40.2 57.654,40.2
FETSOURCE2: F102A.2 Q102.1 Q102.2 Q102.3 U102.5 | length 18.1
  Bottom Layer w0.25: v1(51.562,55.88) 53.42,55.88 56.515,52.785 56.515,42.672 56.904,42.283 U102.5@58.111,42.283
  other v1: 91.6,26.1 93.6,26.1 95.6,26.1 91.6,27.8 93.6,27.8 95.6,27.8 47.752,55.88 49.657,55.88 47.752,57.531 49.657,57.531 51.562,57.531
FUSEFLT1: D107.2 R106.1 U102.12 | length 58.5
  Top Layer w0.15: v2(65.278,40.259) 64.643,40.894 64.643,41.91 65.151,42.418 67.234,42.418 74.088,49.272 74.088,52.117 77.851,55.88 99.441,55.88 102.362,58.801 102.362,62.112 D107.2@103.25,63
  Bottom Layer w0.15: U102.12@61.015,41.283 64.254,41.283 v2(65.278,40.259) R106.1@66.202,40.259
FUSEFLT2: D106.2 R105.1 U102.11 | length 53.3
  Top Layer w0.15: v2(65.278,41.783) 65.405,41.656 67.434,41.656 74.802,49.024 74.802,51.942 78.105,55.245 99.822,55.245 103.25,58.673 D106.2@103.25,60
  Bottom Layer w0.15: U102.11@61.015,41.783 v2(65.278,41.783) R105.1@66.202,41.783